# Altium PCB DMRobotPCB.PcbDoc (continued)
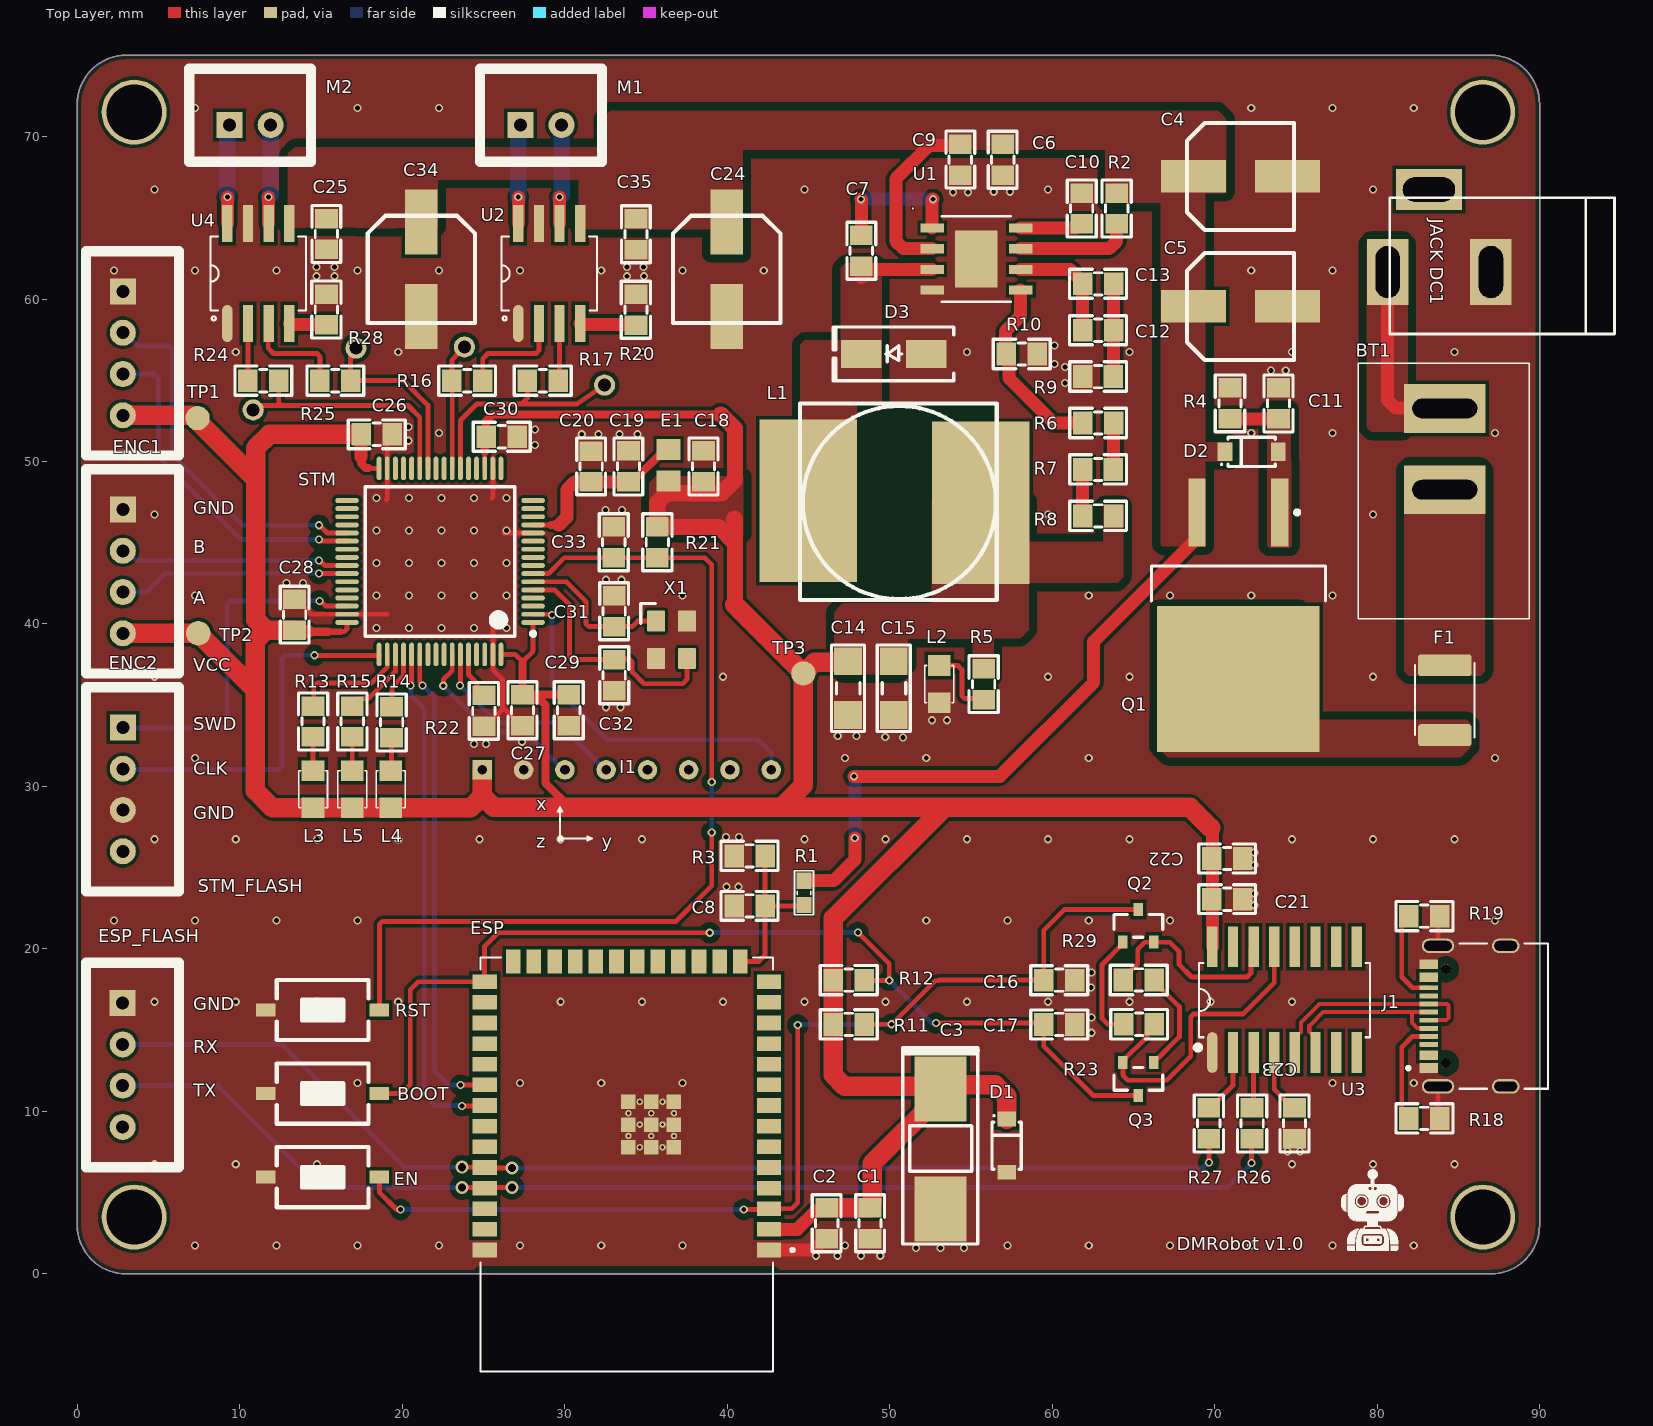
[diagram p0: Top Layer view]
## Footprints (in the part's own frame and the unit in brackets; to place one, negate y for a bottom-side part, rotate by r counter-clockwise, add the part's x,y. Pads: shape width x height; smd on the part's side, far side on the other; paste and mask are expansions set on the pad) (continued)
  rect 0.9x1.5 smd: 15(-6.985,-12.5) 16(-5.715,-12.5) 17(-4.445,-12.5) 18(-3.175,-12.5) 19(-1.905,-12.5) 20(-0.635,-12.5) 21(0.635,-12.5) 22(1.905,-12.5) 23(3.175,-12.5) 24(4.445,-12.5) 25(5.715,-12.5) 26(6.985,-12.5)
  rect 0.9x0.9 smd: 41_1(-1.5,-2.46) 41_2(-2.9,-2.46) 41_3(-0.1,-2.46) 41_4(-2.9,-3.86) 41_5(-1.5,-3.86) 41_6(-0.1,-3.86) 41_7(-2.9,-1.06) 41_8(-1.5,-1.06) 41_9(-0.1,-1.06)
  round 0.4 hole 0.2: GND(-2.9,-3.16) GND(-2.9,-1.76) GND(-2.2,-2.46) GND(-2.2,-1.06) GND(-2.2,-3.86) GND(-1.5,-1.76) GND(-1.5,-3.16) GND(-0.8,-1.06) GND(-0.8,-2.46) GND(-0.8,-3.86) GND(-0.1,-1.76) GND(-0.1,-3.16)
  Keep-Out Layer region: 9,6.75 -9,6.75 -9,12.75 9,12.75
  Keep-Out Layer region: 9,6.75 -9,6.75 -9,12.75 9,12.75
  silkscreen extent -10.3,-12.75 9,12.75
XH2.54M-2 [mm]
  rect 1.6x1.6 hole 0.8: 1(0,0)
  round 1.6 hole 0.8: 2(2.54,0)
  silkscreen extent -2.48,-2.26 5.02,3.46, body extent -2.48,-2.26 5.02,3.48, height 6.91
XH2.54M-4 [mm]
  rect 1.6x1.6 hole 0.8: 1(0,0)
  round 1.6 hole 0.8: 2(2.54,0) 3(5.08,0) 4(7.62,0)
  silkscreen extent -2.48,-2.26 10.1,3.46, body extent -2.48,-2.26 10.1,3.48, height 6.91
XTAL_3225 [mm]
  rrect10% 1.3x1.1 smd: 1(-1.15,-0.95) 2(1.15,-0.95) 3(1.15,0.95) 4(-1.15,0.95)
  silkscreen extent -2.23,-1.89 -1,-1, body extent -1.6,-1.28 1.6,1.23, height 0.61

## Part data
C1 C6 C7 C8 C10 C16 C17 C20 C22 C23 C25 C26 C27 C28 C29 C30 C33 C35: library part "Tu 0805 104 50V 10%", "Dán", Chung_Loai=Dán, Don_Vi=Con, Ma_Hang=MH004551, So_Chan=2, Ten_Linh_Kien="Tụ 0805 104-100nF 10% 50V"
C2: library part "Tu 0805 222 50V 10%", "Dán", Chung_Loai=Dán, Don_Vi=Con, Ma_Hang=MH004557, So_Chan=2, Ten_Linh_Kien="Tụ 0805 222-2.2nF 10% 50V"
C3: library part "Tu tantalum 100uF 50V SMD7343", "Dán", Chung_Loai=Dán, Don_Vi=Con, Ma_Hang=MH008401, So_Chan=2, Ten_Linh_Kien="Tụ tantalum 107T-100uF 50V SMD7343"
C4 C5: library part "Tu Nhom 100uF 25V", "Dán", Chung_Loai=Dán, Don_Vi=Con, Ma_Hang=MH002222, So_Chan=2, Ten_Linh_Kien="Tụ Nhôm 100uF 25V 6x7MM"
C9 C18 C19 C21: library part "Tu 0805 106 16V 10%", "Dán", Chung_Loai=Dán, Don_Vi=Con, Ma_Hang=MH004553, So_Chan=2, Ten_Linh_Kien="Tụ 0805 106-10uF 10% 16V"
C11: library part "Tu 0805 105 50V 10%", "Dán", Chung_Loai=Dán, Don_Vi=Con, Ma_Hang=MH004552, So_Chan=2, Ten_Linh_Kien="Tụ 0805 105-1uF 10% 50V"
C12: library part "Tu 0805 102 50V 10%", "Dán", Chung_Loai=Dán, Don_Vi=Con, Ma_Hang=MH004549, So_Chan=2, Ten_Linh_Kien="Tụ 0805 102-1nF 10% 50V"
C13: library part "Tu 0805 332 50V 10%", "Dán", Chung_Loai=Dán, Don_Vi=Con, Ma_Hang=MH004561, So_Chan=2, Ten_Linh_Kien="Tụ 0805 332-3.3nF 10% 50V"
C14 C15: library part "Tu 1206 226 16V 20%", "Dán", Chung_Loai=Dán, Don_Vi=Con, Ma_Hang=MH004546, So_Chan=2, Ten_Linh_Kien="Tụ 1206 226-22uF 20% 16V"
C24 C34: library part "Tu Nhom 22uF 25V", "Dán", Chung_Loai=Dán, Don_Vi=Con, Ma_Hang=MH007613, So_Chan=2, Ten_Linh_Kien="Tụ Nhôm 22uF 25V"
C31 C32: library part "Tu 0805 10pF 50V 10%", "Dán", Chung_Loai=Dán, Don_Vi=Con, Ma_Hang=MH004554, So_Chan=2, Ten_Linh_Kien="Tụ 0805 10P 10% 50V"
D1 D2: library part "Diode Zener", "Zener Diode"
D3: library part "Diode SS34 ( 1N5822 )", "Dán", Chung_Loai=Dán, Don_Vi=Con, Ma_Hang=MH002104, Ten_Linh_Kien="Diode SS34 3A 40V SMA ( 1N5822 SS34A)"
E1: "EMI Ferrite Chip Bead, 0805, 800MA, 120Ohms @100MHz, DCR Max 0.150Ohm", PACKAGE="0805 Laird", Check_prices=https://www.snapeda.com/parts/LI0805H121R-10/Laird/view-part/?ref=eda, MF=Laird, MP=LI0805H121R-10, SnapEDA_Link=https://www.snapeda.com/parts/LI0805H121R-10/Laird/view-part/?ref=snap
ENC1 ENC2 ESP_FLASH: library part "Header 4P 2.54 Duc Thang", "Cắm", Chung_Loai=Cắm, Don_Vi=Con, Ma_Hang=MH001285, Ten_Linh_Kien="Header 4P XH2.54-4P Đực Thẳng"
ESP: PACKAGE=None, Availability=Unavailable, MF="{'manufacturer': u'Espressif Systems'}", MP=ESP32-S3-WROOM-1-N4, Price=None
F1: library part "Cau chi tu phuc hoi 2A 24V SMD1812", "2A 24V SMD1812", Ma_Hang=MH010033, Ten="Cầu Chì Tự Phục Hồi 2A 24V SMD1812"
J1: "USB Connectors 24 Receptacle 1 8.94*7.3mm RoHS", PACKAGE=Package, Check_prices=https://www.snapeda.com/parts/TYPE-C-31-M-12/HRO+Electronics+Co.%252C+Ltd./view-part/?ref=eda, MF="HRO Electronics Co., Ltd.", MP=TYPE-C-31-M-12, SnapEDA_Link=https://www.snapeda.com/parts/TYPE-C-31-M-12/HRO+Electronics+Co.%252C+Ltd./view-part/?ref=snap
L1: library part "CUON CAM 100uH SMD", "Dán", Chung_Loai=Dán, Don_Vi=Con, Ma_Hang=MH003999, Ten_Linh_Kien="Cuộn Cảm 100uH 7x7x4MM CD74"
L2 L3: library part "LED 0805 Do", "Dán", Chung_Loai=Dán, Don_Vi=Con, Ma_Hang=MH000897, Ten_Linh_Kien="LED 0805 Màu Đỏ (Red)"
L4: library part "LED 0805 Xanh La", "Dán", Chung_Loai=Dán, Don_Vi=Con, Ma_Hang=MH002326, Ten_Linh_Kien="LED 0805 Màu Xanh Lá (Green)"
L5: library part "LED 0805 Vang", "Dán", Chung_Loai=Dán, Don_Vi=Con, Ma_Hang=MH002329, Ten_Linh_Kien="LED 0805 Màu Vàng ( Yellow)"
M1 M2: library part "Header 2P 2.54 Duc Thang", "Cắm", Chung_Loai=Cắm, Don_Vi=Con, Ma_Hang=MH001283, Ten_Linh_Kien="Header 2P XH2.54-2P Đực Thẳng"
Q1: library part "Mosfet P", "Mosfet P"
Q2 Q3: library part CMP-20235-000001-1, "NPN TRANSISTOR 1.5A 40V SOT-23 R", Case/Package=TO-236-3, Collector Emitter Breakdown Voltage=25V, Collector Emitter Voltage (VCEO)=400mV, Max Collector Current=1.5A, Max Power Dissipation=300mW, Transition Frequency=100MHz, Max Breakdown Voltage=25V, Mount="Surface Mount", Packaging="Tape and Reel", RoHS Compliant=Yes
R1: library part "Tro 0603 5% 47k", "Dán", Chung_Loai=Dám, Don_Vi=Con, Ma_Hang=MH007665, So_Chan=2, Ten_Linh_Kien="Trở 0603 5% 47k"
R2 R4: library part "Tro 0805 5% 100k", "Dán", Chung_Loai=Dán, Don_Vi=Con, Ma_Hang=MH005250, So_Chan=2, Ten_Linh_Kien="Trở 0805 5% 100k"
R3 R5 R10 R11 R12 R21 R22 R23 R29: library part "Tro 0805 5% 10k", "Dán", Chung_Loai=Dán, Don_Vi=Con, Ma_Hang=MH005239, So_Chan=2, Ten_Linh_Kien="Trở 0805 5% 10k"
R6: library part "Tro 0805 5% 22k", "Dán", Chung_Loai=Dán, Don_Vi=Con, Ma_Hang=MH005248, So_Chan=2, Ten_Linh_Kien="Trở 0805 5% 22k"
R7: library part "Tro 0805 5% 220R", "Dán", Chung_Loai=Dán, Don_Vi=Con, Ma_Hang=MH005259, So_Chan=2, Ten_Linh_Kien="Trở 0805 5% 220R"
R8: library part "Tro 0805 5% 3.9k", "Dán", Chung_Loai=Dán, Don_Vi=Con, Ma_Hang=MH007670, So_Chan=2, Ten_Linh_Kien="Trở 0805 5% 3.9k"
R9: library part "Tro 0805 5% 6.8k", "Dán", Chung_Loai=Dán, Don_Vi=Con, Ma_Hang=MH005311, So_Chan=2, Ten_Linh_Kien="Trở 0805 5% 6.8k"
R13 R14 R15: library part "Tro 0805 5% 2.2k", "Dán", Chung_Loai=Dán, Don_Vi=Con, Ma_Hang=MH005237, So_Chan=2, Ten_Linh_Kien="Trở 0805 5% 2.2k"
R16 R17 R24 R25 R26 R27: library part "Tro 0805 5% 0R", "Dán", Chung_Loai=Dán, Don_Vi=Con, Ma_Hang=MH005230, So_Chan=2, Ten_Linh_Kien="Trở 0805 5% 0R"
R18 R19: library part "Tro 0805 1% 5.1k", "Dán", Chung_Loai=Dán, Don_Vi=Con, Ma_Hang=MH008812, So_Chan=2, Ten_Linh_Kien="Trở 0805 1% 5.1k"
R20 R28: library part "Tro 0805 5% 30k", "Dán", Chung_Loai=Dán, Don_Vi=Con, Ma_Hang=MH005314, So_Chan=2, Ten_Linh_Kien="Trở 0805 5% 30k"
STM_FLASH: "Cắm", Chung_Loai=Cắm, Don_Vi=Con, Ma_Hang=MH001285, Ten_Linh_Kien="Header 4P XH2.54-4P Đực Thẳng"
U1: "3A 23V 340KHz Synchronous Rectified Step-Down Converter", Manufacturer_Name="Monolithic Power Systems", Copyright="Copyright (C) 2025 Ultra Librarian. All rights reserved.", Datasheet=https://www.monolithicpower.com/en/documentview/productdocument/index/version/2/document_type/Datasheet/lang/en/sku/MP2307, Manufacturer_Part_Number=MP2307DN-HW-LF-P, RefDes=RefDes, TYPE=Type
U2 U4: library part IC_DRV8871DDARQ1, "Unipolar Motor Driver NMOS PWM 8-SO PowerPad", Alternate Part Number-1=NA, Case/Package=SOIC-8, Manufacturer="Texas Instruments", Manufacturer Part Number=DRV8871DDARQ1, Supplier Part Number-1=DRV8871DDARQ1, Supplier-1=ARROW
U3: library part IC_CH340C, "USB Bridge, USB to UART USB 2.0 UART Interface", Alternate Part Number-1=NA, Case/Package=SOIC16, Manufacturer=Olimex, Supplier Part Number-1=C84681, Manufacturer Part Number=CH340C, Supplier-1=LCSC
X1: library part TSX-3225_24.0000MF15X-AC, "Crystal SMD 24MHz 10PPM 7pF 3225", Manufacturer=Epson, Manufacturer Part Number="TSX-3225 24.0000MF15X-AC"
BOOT EN RST: Ma_Hang=MH001036, Ten="Nút Nhấn 2 Chân 3x6x2.5MM SMD"

## Free pads (board coordinates)
  round 4 hole 3.4: 3(3.5,3.5) 4(3.5,71.5) 6(86.5,3.5) 6(86.5,71.5)
  round 1.5 all layers, no hole mask+0.102: 7(7.4,52.675) 8(7.447,39.428) 8(44.688,36.956)
  round 1.3 hole 0.8 mask+0: MOTOR2_IN2(10.825,53.175) MOTOR2_IN2(17.15,56.975) MOTOR2_IN2(23.825,57.05) MOTOR2_IN2(32.45,54.7)

## Via types
v1: diameter 0.5, hole 0.3, Top Layer to Bottom Layer, tented both sides, 237 vias
v2: diameter 0.8, hole 0.5, Top Layer to Bottom Layer, tented both sides, 4 vias

## Nets (pads, with @x,y where several pads share a name; then routed paths per layer and width w, separated by ;. In a path a pad name is that pad's centre, name@x,y a point inside that pad or via, vN(x,y) a via of type N, cw(c..) or ccw(c..) an arc to the next point about the centre after c; other vN are vias at no path point)
3.3V: C1.1 C2.2 C3.1 C14.1 C15.1 C18.1 C21.1 C22.2 C26.2 C27.2 C28.2 C29.2 C30.2 D1.2 E1.1 ENC1.4 ENC2.4 ESP.2 I1.0 L1.2 L3.1 L4.1 L5.1 pad.7 pad.8 R5.1 R8.2 R11.2 R12.2 R21.1 STM.1 STM.19 STM.32 STM.48 STM.64 U3.16 | length 254.8
  Top Layer w0.3: 16.225,39.525 16.424,39.525 16.6,39.701 STM.48 ; 17.925,49.6 17.95,49.575 STM.32 ; STM.19 25.075,50.6 ; STM.64 26.95,38.125 27.099,37.976 27.4,37.675 28.05,38.325 STM.1 ; 44.018,2.741 45.304,4.027
  Top Layer w0.4: 15.45,39.525 16.225,39.525
  Top Layer w0.5: 14.2,39.55 14.225,39.525 15.45,39.525 ; 17.45,50.275 17.45,49.893 17.743,49.6 17.925,49.6 ; 25.075,50.6 25.075,51.6 25.15,51.675 25.15,52.507 25.543,52.9 39.6,52.9 ; 27.4,37.675 C27.2 ; C29.2 C27.2 ; 30.313,28.712 28.825,30.2 28.825,35.007 28.532,35.3 27.75,35.3 C27.2
  Top Layer w0.8: 12.669,39.55 13.372,39.55 14.2,39.55 ; 17.45,50.275 17.45,51.65 C26.2 ; ESP.2 44.018,2.741 44.318,2.741 45.448,3.87 45.822,3.87 46.05,4.099 C2.2@46.05,4.224 ; L1.2@55.589,43.92 L1.2@55.782,44.113 ; L1.2 55.782,47.283 L1.2@55.782,44.113 ; L1.2@55.843,44.174 L1.2@55.782,44.113 ; U3.16 69.856,22.613 69.856,27.338 69.744,27.45 69.925,27.45 69.925,27.331
  Top Layer w1: 39.6,52.9 40.475,52.025 40.475,48.875 39.65,48.05 36.286,48.05 35.7,47.464 R21.1 39.475,45.975 40.475,44.975 ; 40.425,46.475 40.475,46.425 40.475,44.975 ; 40.475,41.169 40.475,44.975
  Top Layer w1.2: ENC2.4 7.447,39.428 10.95,35.925 ; ENC1.4 7.055,52.845 10.975,48.925 ; C28.2 12.669,39.621 11.621,39.621 ; C26.2 11.825,51.675 10.975,50.825 10.975,48.925 ; L4.1@19.042,28.687 L5.1 L3.1 12.013,28.687 10.95,29.75 10.95,35.925 ; L4.1@19.186,28.687 24.202,28.687 24.93,29.415 ; I1.0 24.93,29.415 ; 40.475,41.169 pad.8@44.688,36.956 ; C2.2 48.681,4.07 48.69,4.062 C1.1@48.781,4.062 ; C14.1 47.392,37.653 45.385,37.653 pad.8@44.688,36.956 ; C1.1@48.915,4.412 48.915,6.788 53.118,10.991 C3.1@53.118,11.316 ; 53.525,28.712 53.362,28.712 ; D1.2 57.193,10.938 56.49,11.641 53.368,11.641 C3.1 52.968,11.541 47.228,11.541 46.525,12.244 R11.2 R12.2 46.525,21.875 53.362,28.712 ; 69.744,27.45 68.482,28.712 53.362,28.712 ; 10.95,35.925 10.95,38.95 11.621,39.621 ; 10.975,48.925 10.975,40.266 11.621,39.621 ; 24.93,29.415 25.633,28.712 30.313,28.712 43.325,28.712 ; 43.325,28.712 53.362,28.712 ; 43.325,28.712 44.688,30.075 pad.8@44.688,36.956
8.4V: C4.1 C5.1 C6.2 C9.1 C24.1 C25.2 C34.1 C35.2 D2.2 Q1.3 R1.2 R2.1 U1.2 U2.5 U4.5 | length 50.2
  Top Layer w0.8: R1.2 46.55,24.2 47.85,25.5 v1(47.85,26.825) ; v1(47.8,30.625) 56.775,30.625 62.55,36.4 62.55,38.919 68.924,45.293 Q1.3 ; U1.2 50.851,63.097 50.382,63.566 50.382,67.398 52.447,69.462 54.28,69.462 C9.1
  Bottom Layer w0.8: v1(47.8,30.625) 47.85,30.575 v1(47.85,26.825)
BOOT: BOOT.2 C17.2 ESP.27 Q3.3 R12.1 | length 62.6
  Top Layer w0.3: BOOT.2 19.951,11.099 20.493,11.641 20.493,17.491 20.983,17.981 ESP.27 25.068,20.166 25.902,21 v1(38.925,21) ; v1(48.043,21.016) 49.968,19.091 v1(49.968,18.066) 48.44,18.066 R12.1 ; v1(52.843,15.441) 59.394,15.441 C17.2 59.479,14.021 62.51,10.99 Q3.3
  Bottom Layer w0.3: v1(38.925,21) 38.933,21.008 48.035,21.008 v1(48.043,21.016) ; v1(49.968,18.066) 52.593,15.441 v1(52.843,15.441)
BS_NET: C7.1 U1.1 | length 8.5
  Top Layer w0.8: v1(48.223,66.145) 48.252,66.116 C7.1 ; U1.1 52.611,66.088 v1(52.668,66.145)
  Bottom Layer w0.8: v1(48.223,66.145) v1(52.668,66.145)
COMP_NET: C12.1 C13.1 U1.6 | length 7.1
  Top Layer w0.8: U1.6 61.087,61.827 61.88,61.035 C13.1 C12.1
DTR: Q3.2 R23.1 U3.13 | length 19.5
  Top Layer w0.3: R23.1 65.846,14.913 65.846,14.606 64.35,13.11 Q3.2 64.35,12.225 64.657,11.918 67.043,11.918 68.525,13.4 68.525,15.812 68.701,15.988 71.736,15.988 73.666,17.918 U3.13
EN: C16.2 EN.2 ESP.3 Q2.3 R11.1 | length 65.6
  Top Layer w0.3: EN.2 18.594,5.015 19.643,3.966 v1(19.893,3.966) ; v1(41.018,3.966) 42.523,3.966 ESP.3 43.968,4.011 44.343,4.387 v1(44.343,15.316) ; R11.1 48.435,15.366 v1(50.118,15.366) 52.793,18.041 52.993,18.041 53.033,18.081 C16.2 59.479,21.152 60.762,22.435 Q2.3
  Bottom Layer w0.3: v1(19.893,3.966) v1(41.018,3.966) ; v1(44.343,15.316) 44.368,15.341 50.093,15.341 v1(50.118,15.366)
EN_NET: R2.2 U1.7 | length 7.2
  Top Layer w0.8: U1.7 63.502,63.097 63.971,63.566 R2.2
ENCODER1_IN1: ENC1.2 STM.37 | length 22.7
  Top Layer w0.3: v1(14.875,46.075) 14.915,46.075 15.39,45.6 STM.37
  Bottom Layer w0.3: ENC1.2 2.918,57.925 3.743,57.1 5.674,57.1 5.85,56.924 5.85,50.4 10.175,46.075 v1(14.875,46.075)
ENCODER1_IN2: ENC1.3 STM.38 | length 20.9
  Top Layer w0.3: v1(14.875,45.2) 14.929,45.2 15.029,45.1 STM.38
  Bottom Layer w0.3: ENC1.3 4.714,55.385 5,55.099 5,50.25 10.05,45.2 v1(14.875,45.2)
ENCODER2_IN1: ENC2.3 STM.42 | length 14.3
  Top Layer w0.3: v1(14.875,43.1) STM.42
  Bottom Layer w0.3: ENC2.3 4.267,41.968 5.425,43.125 14.85,43.125 v1(14.875,43.1)
ENCODER2_IN2: ENC2.2 STM.41 | length 14.2
  Top Layer w0.3: v1(14.875,43.9) 14.929,43.9 15.229,43.6 STM.41
  Bottom Layer w0.3: ENC2.2 3.018,44.508 3.626,43.9 v1(14.875,43.9)
ESP_RX: ESP.33 STM.53 | length 31.5
  Top Layer w0.3: v1@20.5,36.2 v1(20.5,36.225) 20.5,36.254 20.575,36.329 STM.53 ; v1(23.668,10.341) 25.048,10.341 ESP.33
  Bottom Layer w0.3: v1(20.5,36.225) 20.538,36.187 20.538,35.587 21.35,34.775 21.35,11.023 21.343,11.016 21.993,10.366 23.643,10.366 v1(23.668,10.341)
ESP_RXD0: ESP.36 ESP_FLASH.2 R27.1 | length 71.6
  Top Layer w0.3: v2(23.668,6.566) 25.053,6.566 ESP.36 25.103,6.516 v2(26.743,6.516) ; R27.1 69.643,8.306 v1(69.643,6.866)
  Bottom Layer w0.3: ESP_FLASH.2 12.583,14.126 20.143,6.566 v2(23.668,6.566) ; v2(26.743,6.516) 69.239,6.516 69.589,6.866 v1(69.643,6.866)
ESP_TX: ESP.32 STM.54 | length 29.5
  Top Layer w0.3: STM.54 21.075,36.429 21.25,36.254 v1(21.25,36.225) v1@21.25,36.2 ; v1(23.593,11.616) 25.053,11.616 ESP.32
  Bottom Layer w0.3: v1(21.25,36.225) 21.975,35.5 21.975,12.509 22.868,11.616 v1(23.593,11.616)
ESP_TXD0: ESP.37 ESP_FLASH.3 R26.1 | length 74.3
  Top Layer w0.3: v2(23.668,5.316) 25.033,5.316 ESP.37 ; ESP.37@25.083,5.266 ESP.37 ; v2(26.743,5.316) 25.103,5.316 ESP.37 ; v1(72.268,6.816) 72.268,8.275 R26.1
  Bottom Layer w0.3: ESP_FLASH.3 8.648,11.586 14.918,5.316 v2(23.668,5.316) ; v2(26.743,5.316) 70.768,5.316 v1(72.268,6.816)
FB_NET: R6.1 R10.1 U1.5 | length 11.6
  Top Layer w0.8: U1.5 58.059,58.963 57.113,58.017 57.113,56.69 57.33,56.473 57.33,55.145 60.102,52.373 R6.1
GND: "JACK DC1.2" BOOT.1 C1.2 C2.1 C3.2 C4.2 C5.2 C6.1 C8.1 C9.2 C10.1 C11.2 C14.2 C15.2 C16.1 C17.1 C18.2 C19.2 C20.1 C21.2 C22.1 C23.1 C24.2 C25.1 C26.1 C27.1 C28.1 C29.1 C30.1 C31.2 C32.2 C33.1 C34.2 C35.1 D1.1 D3.1 EN.1 ENC1.1 ENC2.1 ESP.1 ESP.40 ESP.41_1 ESP.41_2 ESP.41_3 ESP.41_4 ESP.41_5 ESP.41_6 ESP.41_7 ESP.41_8 ESP.41_9 ESP.GND ESP_FLASH.1 I1.1 J1.A1_B12 J1.B1_A12 J1.S1 J1.S2 J1.S3 J1.S4 L2.2 R3.1 R4.1 R9.2 R10.2 R18.1 R19.1 R20.1 R22.2 R28.1 RST.1 STM.12 STM.18 STM.31 STM.47 STM.63 STM_FLASH.3 U1.4 U1.EPAD U2.1 U2.7 U3.1 U4.1 U4.7 X1.2 X1.4 | length 32.2
  Top Layer w0.3: C28.1 13.472,41.521 14.392,40.6 STM.47 19.025,40.6 19.05,40.575 ; 19.025,47.65 19.075,47.7 STM.31 19.075,51.375 C26.1 ; R22.2@25.125,33.7 26.175,34.75 ; 25.525,47.75 25.575,47.8 STM.18 ; 25.625,40.175 25.575,40.125 STM.63 25.575,37.175 26.175,36.575 26.175,34.75 ; v1@26.275,45.575 26.3,45.6 STM.12 ; C30.1 C30.1@27.175,51.424 ; C27.1 27.3,33.75 26.3,34.75 26.175,34.75 ; J1.S1 83.746,9.683 R18.1 ; J1.S2 83.746,21.906 R19.1
  Top Layer w0.5: R28.1 R28.1@15.356,60.277 ; C25.1 C25.1@15.332,63.052
  Top Layer w0.8: R22.2 R22.2@25.125,33.7 ; ESP.1 45.322,1.471 46.022,2.17 C2.1 C2.1@46.126,2.166 ; C1.2@48.786,2.166 C1.2 ; U1.EPAD@54.831,61.958 U1.EPAD ; R10.2@59.083,56.52 R10.2 ; R9.2@61.674,54.928 61.874,55.128 R9.2 ; C10.1@61.712,66.521 C10.1 ; C9.2 54.447,67.629 C9.2
  other v1: 45.468,1.116 46.793,1.116 48.243,1.116 49.418,1.116 51.618,1.591 53.118,1.591 54.568,1.591 7.25,1.75 12.25,1.75 17.25,1.75 22.25,1.75 27.25,1.75 32.25,1.75 37.25,1.75 47.25,1.75 57.25,1.75 62.25,1.75 67.25,1.75 72.25,1.75 77.25,1.75 82.25,1.75 4.75,6.75 9.75,6.75 14.75,6.75 74.75,6.75 79.75,6.75 84.75,6.75 74.493,7.541 75.243,7.541 17.25,11.75 27.25,11.75 32.25,11.75 37.25,11.75 77.25,11.75 82.25,11.75 62.418,14.841 62.418,15.791 4.75,16.75 9.75,16.75 14.75,16.75 19.75,16.75 29.75,16.75 34.75,16.75 39.75,16.75 44.75,16.75 49.75,16.75 54.75,16.75 59.75,16.75 64.75,16.75 69.75,16.75 74.75,16.75 62.393,17.616 62.418,18.541 2.25,21.75 7.25,21.75 12.25,21.75 17.25,21.75 52.25,21.75 57.25,21.75 62.25,21.75 67.25,21.75 87.25,21.75 72.443,22.691 72.443,23.416 39.95,23.825 40.7,23.825 72.443,25.166 72.45,25.925 4.75,26.75 9.75,26.75 14.75,26.75 19.75,26.75 24.75,26.75 29.75,26.75 34.75,26.75 44.75,26.75 49.75,26.75 54.75,26.75 59.75,26.75 64.75,26.75 74.75,26.75 79.75,26.75 84.75,26.75 39.925,26.9 40.725,26.9 7.25,31.75 47.25,31.75 52.25,31.75 62.25,31.75 87.25,31.75 24.425,32.625 25.15,32.625 27.375,32.75 50.825,33.025 49.725,33.05 46.8,33.1 47.95,33.1 52.6,34.075 53.525,34.075 32.55,34.875 33.425,34.875 4.75,36.75 39.75,36.75 59.75,36.75 64.75,36.75 79.75,36.75 18.425,39.75 20.425,39.75 22.425,39.75 24.425,39.75 26.425,39.75 7.25,41.75 18.425,41.75 20.425,41.75 22.425,41.75 24.425,41.75 26.425,41.75 37.25,41.75 62.25,41.75 67.25,41.75 72.25,41.75 77.25,41.75 12.875,42.525 13.9,42.525 32.55,42.725 33.5,42.725 18.425,43.75 20.425,43.75 22.425,43.75 24.425,43.75 26.425,43.75 18.425,45.75 20.425,45.75 22.425,45.75 24.425,45.75 26.425,45.75 4.75,46.75 59.75,46.75 79.75,46.75 32.5,47.025 33.525,47.025 18.425,47.75 20.425,47.75 22.425,47.75 24.425,47.75 26.425,47.75 28.175,51.025 20.375,51.275 31.05,51.675 32.075,51.675 33.375,51.675 34.475,51.675 22.25,51.75 72.25,51.75 77.25,51.75 87.25,51.75 28.175,51.975 20.375,52.125 60.8,54.825 73.475,55.6 74.375,55.6 60.8,55.825 60.15,56 9.75,56.75 19.75,56.75 34.75,56.75 54.75,56.75 64.75,56.75 74.75,56.75 84.75,56.75 60.15,57.15 14.725,61.4 15.825,61.4 33.825,61.4 34.875,61.4 2.25,61.75 7.25,61.75 12.25,61.75 17.25,61.75 22.25,61.75 27.25,61.75 32.25,61.75 37.25,61.75 42.25,61.75 72.25,61.75 77.25,61.75 14.725,61.975 15.825,61.975 33.825,61.975 34.85,61.975 53.9,66.575 54.825,66.575 56.4,66.6 57.4,66.6 4.75,66.75 44.75,66.75 59.75,66.75 79.75,66.75 7.25,71.75 17.25,71.75 22.25,71.75 72.25,71.75 77.25,71.75 82.25,71.75
MCU_BOOT0: R22.1 STM.60 | length 3
  Top Layer w0.3: STM.60 24.075,36.875 24.6,36.35 R22.1@24.6,35.475 ; R22.1 R22.1@25.125,35.6
MCU_ERR_LED: R13.2 STM.50 | length 7
  Top Layer w0.3: R13.2 14.55,34.994 14.55,36.15 14.775,36.375 18.107,36.375 19.075,37.343 STM.50
MCU_ERR_LED_K: L3.2 R13.1 | length 2.1
  Top Layer w0.3: L3.2 L3.2 R13.1 R13.1
MCU_INT: I1.7 STM.2 | length 21.8
  Top Layer w0.3: STM.2 29.121,40.6 29.171,40.55 v1(29.225,40.55)
  Bottom Layer w0.3: v1(29.225,40.55) 29.225,36.25 32.6,32.875 41.925,32.875 42.71,32.09 I1.7
MCU_nRESET: C33.2 R21.2 RST.2 STM.7 | length 58
  Top Layer w0.3: RST.2 18.594,21.517 18.77,21.692 36.845,21.692 39.05,23.898 v1(39.05,27.175) ; STM.7 29,43.1 29.975,44.075 C33.2 R21.2 38.625,44.075 39.05,43.65 v1(39.05,30.275)
  Bottom Layer w0.3: v1(39.05,27.175) v1(39.05,30.275)
MCU_OSCIN: C32.1 STM.5 X1.3 | length 15.5
  Top Layer w0.3: STM.5 29.375,42.1 29.524,41.951 30.3,41.175 30.3,38.001 30.476,37.825 33.008,37.825 C32.1 33.096,37.85 33.974,37.85 34.15,37.674 34.15,37.05 34.875,36.325 37.25,36.325 37.525,36.6 X1.3
MCU_OSCOUT: C31.1 STM.6 X1.1 | length 9.7
  Top Layer w0.3: STM.6 30.1,42.6 31.3,41.4 31.3,40.025 31.486,39.839 C31.1 34.149,39.839 34.485,40.175 X1.1
MCU_RUN_LED: R14.2 STM.52 | length 3.5
  Top Layer w0.3: R14.2 19.375,34.924 19.375,36.1 20.075,36.8 STM.52
MCU_RUN_LED_K: L4.2 R14.1 | length 2
  Top Layer w0.3: L4.2 19.344,31.032 R14.1 R14.1
MCU_SCL: I1.2 STM.58 | length 11.3
  Top Layer w0.3: v1(22.525,36.2) 22.532,36.207 22.532,36.582 23.075,37.125 STM.58
  Bottom Layer w0.3: v1(22.525,36.2) 25.375,33.35 27.624,33.35 27.975,32.999 27.975,32.95 I1.2@29.607,31.318
MCU_SDA: I1.3 STM.59 | length 12.5
  Top Layer w0.3: v1(23.55,36.225) 23.575,36.25 STM.59
  Bottom Layer w0.3: v1(23.55,36.225) 25.85,33.925 29.575,33.925 I1.3@32.106,31.394
MCU_SWCLK: STM.49 STM_FLASH.2 | length 23
  Top Layer w0.3: v1(14.6,38.075) 14.625,38.05 18.575,38.05 STM.49
  Bottom Layer w0.3: STM_FLASH.2@2.482,31.05 12.424,31.05 12.6,31.226 12.6,37.899 12.776,38.075 v1(14.6,38.075)
MCU_SWDIO: STM.46 STM_FLASH.1 | length 21.6
  Top Layer w0.3: v1(14.9,41.425) 14.954,41.425 15.279,41.1 STM.46
  Bottom Layer w0.3: STM_FLASH.1@2.727,33.6 9.049,33.6 9.225,33.776 9.225,41.249 9.401,41.425 v1(14.9,41.425)
MCU_WIFI_LED: R15.2 STM.51 | length 4.6
  Top Layer w0.3: R15.2 17.375,35.4 17.9,35.4 19.575,37.075 STM.51
MCU_WIFI_LED_K: L5.2 R15.1 | length 2.1
  Top Layer w0.3: L5.2 16.925,30.974 R15.1 R15.1@16.926,33.048
MOTOR1_IN1: pad.MOTOR2_IN2@23.825,57.05 R16.1 STM.23 | length 7.8
  Top Layer w0.3: STM.23 23.075,54.95 R16.1 23.05,56.225 pad.MOTOR2_IN2@23.825,57.05
MOTOR1_IN2: pad.MOTOR2_IN2@32.45,54.7 R17.1 STM.22 | length 14.2
  Top Layer w0.3: STM.22 23.575,52.525 24.6,53.55 27.35,53.55 ; R17.1 27.7,53.9 27.35,53.55 ; pad.MOTOR2_IN2@32.45,54.7 30.75,53.55 27.35,53.55
MOTOR1_OUT1: M1.2 U2.6 | length 6.1
  Top Layer w0.8: U2.6 v1(29.681,66.272)
  Bottom Layer w1: v1(29.681,66.272) 29.808,66.399 M1.2
MOTOR1_OUT2: M1.1 U2.8 | length 6.5
  Top Layer w0.8: U2.8 27.141,64.909 v1(27.141,66.272)
  Bottom Layer w0.8: M1.1@27.141,70.463 M1.1@27.395,70.717
  Bottom Layer w1: v1(27.141,66.272) 27.141,70.463 27.141,70.59 M1.1
MOTOR2_IN1: pad.MOTOR2_IN2@10.825,53.175 R24.1 STM.27 | length 15.4
  Top Layer w0.3: pad.MOTOR2_IN2@10.825,53.175 11.375,53.45 12.576,53.45 ; R24.1 12.4,53.626 12.576,53.45 ; STM.27 21.075,52.725 20.35,53.45 12.576,53.45
MOTOR2_IN2: pad.MOTOR2_IN2@17.15,56.975 R25.1 STM.26 | length 10.9
  Top Layer w0.3: pad.MOTOR2_IN2@16.825,56.65 R25.1 20.074,54.975 21.575,53.474 STM.26
MOTOR2_OUT1: M2.2 U4.6 | length 6.1
  Top Layer w0.8: U4.6 v1(11.774,66.272)
  Bottom Layer w1: v1(11.774,66.272) 11.901,66.399 M2.2
MOTOR2_OUT2: M2.1 U4.8 | length 6.1
  Top Layer w0.8: U4.8 v1(9.234,66.272)
  Bottom Layer w1: v1(9.234,66.272) 9.234,70.59 M2.1
NetBT1_2: BT1.2 F1.1
NetC8_2: C8.2 ESP.15 R1.1 R3.2 | length 10.2
  Top Layer w0.3: ESP.15 41.946,19.231 42.325,19.61 C8.2 ; R3.2 C8.2 ; R1.1@44.7,22.675 44.675,22.65 C8.2
NetC11_1: C11.1 D2.1 Q1.1 R4.2 | length 3
  Top Layer w0.8: R4.2 C11.1
NetC12_2: C12.2 C13.2 R9.1 | length 5.7
  Top Layer w0.8: R9.1 63.777,55.231 63.777,60.931 C13.2
NetC23_2: C23.2 U3.4 | length 4
  Top Layer w0.3: U3.4 73.666,11.36 74.815,10.211 C23.2
NetF1_2: F1.2 Q1.2
NetJ1_A5: J1.A5 R18.2 | length 6.5
  Top Layer w0.3: R18.2 81.515,10.014 81.515,13.956 82.174,14.615 J1.A5
NetJ1_B5: J1.B5 R19.2 | length 5.9
  Top Layer w0.3: R19.2 81.515,21.575 81.515,18.274 82.174,17.615 J1.B5
NetL2_1: L2.1 R5.2 | length 4.5
  Top Layer w0.3: L2.1 54.192,37.443 54.446,37.189 54.446,35.587 54.622,35.411 55.717,35.411 R5.2
NetQ2_1: Q2.1 R23.2 | length 6.7
  Top Layer w0.3: Q2.1 64.35,20.315 63.075,19.04 63.075,15.7 63.412,15.363 R23.2
NetQ3_1: Q3.1 R29.2 | length 6.4
  Top Layer w0.3: Q3.1 66.25,13.11 66.4,13.26 66.5,13.26 67.825,14.585 67.825,16.447 66.279,17.993 R29.2
NetR6_2: R6.2 R7.1 | length 2.9
  Top Layer w0.8: R7.1 63.778,49.512 63.778,52.369 R6.2
NetR7_2: R7.2 R8.1 | length 2.9
  Top Layer w0.8: R7.2 61.878,49.503 61.878,46.658 R8.1
NetR16_2: R16.2 U2.2 | length 6.7
  Top Layer w0.3: R16.2 24.95,56.325 25.275,56.65 28.235,56.65 28.411,56.826 U2.2
NetR17_2: R17.2 U2.3 | length 3.6
  Top Layer w0.3: R17.2 29.681,55.056 U2.3
NetR20_2: R20.2 U2.4 | length 3.5
  Top Layer w0.8: U2.4 31.002,58.44 34.332,58.44 R20.2
NetR24_2: R24.2 U4.2 | length 3.5
  Top Layer w0.3: R24.2 10.504,54.979 U4.2
NetR25_2: R25.2 U4.3 | length 6.4
  Top Layer w0.3: U4.3 11.75,58.467 11.75,56.975 12.075,56.65 14.749,56.65 14.925,56.474 R25.2
NetR28_2: R28.2 U4.4 | length 2.3
  Top Layer w0.8: U4.4 13.088,58.447 15.286,58.447 R28.2
RTS: Q2.2 R29.1 U3.14 | length 12.5
  Top Layer w0.3: R29.1 64.379,18.193 65.265,19.079 65.265,19.979 65.701,20.415 Q2.2 67.235,20.415 67.799,19.851 67.799,19.051 68.576,18.274 71.99,18.274 72.229,18.512 72.229,19.96 U3.14
RXD: R26.2 U3.3 | length 3.5
  Top Layer w0.3: R26.2 72.396,10.302 U3.3
SS_NET: C10.2 U1.8 | length 3.9
  Top Layer w0.8: U1.8 61.458,64.367 61.712,64.621 C10.2
SW_NET: C7.2 D3.2 L1.1 U1.3 | length 4.6
  Top Layer w0.8: 48.255,61.32 48.762,61.827 U1.3
TXD: R27.2 U3.2 | length 4.1
  Top Layer w0.3: R27.2 69.738,10.211 71.126,11.6 U3.2
USB_N: J1.A7 J1.B7 U3.6 | length 11.3
  Top Layer w0.25: U3.6 76.206,14.56 76.014,14.752 75.97,14.752 75.823,14.898 75.823,15.271 76.663,16.111 82.143,16.111 ; J1.B7 83.141,15.14 82.462,15.14 82.143,15.458 82.143,16.111 ; J1.A7 83.162,16.111 82.143,16.111
USB_P: J1.A6 J1.B6 U3.5 | length 13.7
  Top Layer w0.25: U3.5 74.936,14.56 75.129,14.752 75.173,14.752 75.319,14.898 75.319,15.48 76.454,16.615 J1.B6 J1.B6@83.61,16.615 ; J1.A6 84.247,15.615 84.393,15.761 84.393,16.52 84.298,16.615 J1.B6@83.61,16.615 ; J1.B6@83.611,16.616 J1.B6@83.61,16.615
VDDA: C19.1 C20.2 E1.2 STM.13 | length 11.2
  Top Layer w0.3: STM.13 29.15,46.1
  Top Layer w0.5: 29.15,46.1 29.625,46.1 ; C19.1@33.918,48.743 34.272,49.097 34.522,49.097 35.768,50.343 35.986,50.343 E1.2
  Top Layer w0.8: 29.625,46.1 29.656,46.1 30.125,46.569 30.125,48.27 30.594,48.739 32.011,48.739 32.015,48.743 C19.1@33.918,48.743
VIN: "JACK DC1.1" BT1.1 | length 11.6
  Top Layer w0.8: 80.65,61.66 80.65,53.775 81.119,53.306 84.123,53.306 BT1.1
pads on no net: "JACK DC1.3" ESP.4 ESP.5 ESP.6 ESP.7 ESP.8 ESP.9 ESP.10 ESP.11 ESP.12 ESP.13 ESP.14 ESP.16 ESP.17 ESP.18 ESP.19 ESP.20 ESP.21 ESP.22 ESP.23 ESP.24 ESP.25 ESP.26 ESP.28 ESP.29 ESP.30 ESP.31 ESP.34 ESP.35 ESP.38 ESP.39 ESP_FLASH.4 I1.4 I1.5 I1.6 J1. J1.A4_B9 J1.A8 J1.B4_A9 J1.B8 STM.3 STM.4 STM.8 STM.9 STM.10 STM.11 STM.14 STM.15 STM.16 STM.17 STM.20 STM.21 STM.24 STM.25 STM.28 STM.29 STM.30 STM.33 STM.34 STM.35 STM.36 STM.39 STM.40 STM.43 STM.44 STM.45 STM.55 STM.56 STM.57 STM.61 STM.62 STM_FLASH.4 U3.7 U3.8 U3.9 U3.10 U3.11 U3.12 U3.15

## Polygon pours and split planes (outlines as drawn)
GND on Top Layer "NONET_L-01_P-001" (solid, pour order 56): 0,0 0,75 90,75 90,0
VIN on Top Layer "NONET_L-01_P-001" (solid, pour order 68): 79.375,52.079 79.375,63.421 79.629,63.675 81.621,63.675 81.875,63.421 81.875,52.079 81.621,51.825 79.629,51.825
SW_NET on Top Layer "NONET_L-01_P-001" (solid, pour order 37): 46.987,57.45 46.987,61.921 47.291,62.225 49.146,62.225 49.5,61.871 49.5,57.45
NetF1_2 on Top Layer "NONET_L-01_P-001" (solid, pour order 64): 66.475,34.1 66.5,34.125 66.5,40.975 75.225,40.975 75.998,40.202 75.998,34.1 85.521,34.1 85.775,33.846 85.775,32.429 85.146,31.8 67.104,31.8 66.475,32.429
8.4V on Top Layer "NONET_L-01_P-001" (solid, pour order 53): 32.3,69.179 32.3,71.1 32.8,71.6 70.225,71.6 70.725,71.1 70.725,69.179
8.4V on Top Layer "NONET_L-01_P-001" (solid, pour order 35): 63.275,65.925 63.275,69.179 66.675,69.179 66.675,65.925
8.4V on Top Layer "NONET_L-01_P-001" (solid, pour order 34): 12.95,64.398 12.95,68.925 13.375,69.35 40.9,69.35 40.95,69.3 40.95,64.35 40.9,64.3 30.925,64.3 30.875,64.35 30.875,67.35 22.175,67.35 22.175,64.425 22.098,64.348
8.4V on Top Layer "NONET_L-01_P-001" (solid, pour order 33): 38.975,62.775 38.975,69.538 40.95,69.538 40.95,62.775
8.4V on Top Layer "NONET_L-01_P-001" (solid, pour order 31): 66.675,66.525 66.675,69.179 70.725,69.179 70.725,66.525
3.3V on Top Layer "NONET_L-01_P-001" (solid, pour order 52): 35.2,45.5 35.2,49.1 40.975,49.1 40.975,45.5
8.4V on Top Layer "NONET_L-01_P-001" (solid, pour order 49): 68.2,50.025 68.2,51.175 71.05,51.175 71.05,50.025
8.4V on Top Layer "NONET_L-01_P-001" (solid, pour order 30): 66.675,44.775 66.675,68.575 69.425,68.575 69.425,44.775
NetBT1_2 on Top Layer "NONET_L-01_P-001" (solid, pour order 47): 81.675,37.079 81.675,49.496 81.929,49.75 86.371,49.75 86.625,49.496 86.625,37.079 86.371,36.825 81.929,36.825
3.3V on Top Layer "NONET_L-01_P-001" (solid, pour order 46): 52.6,39.675 52.6,47.525 53.15,48.075 58.05,48.075 58.55,47.575 58.55,39.625 58.05,39.125 53.15,39.125
3.3V on Top Layer "NONET_L-01_P-001" (solid, pour order 45): 51.05,39.088 51.05,41.275 55.225,41.275 55.225,39.088
3.3V on Top Layer "NONET_L-01_P-001" (solid, pour order 42): 55.125,36.725 55.125,42.825 56.4,42.825 56.4,36.725
3.3V on Top Layer "NONET_L-01_P-001" (solid, pour order 41): 55.125,42.525 64.025,42.525 64.375,42.875 64.375,47.325 64.325,47.375 63.2,47.375 63.15,47.325 63.15,45.05 55.125,45.05 55.075,45
3.3V on Top Layer "NONET_L-01_P-001" (solid, pour order 44): 46.6,37.425 46.6,40.75 47.125,41.275 51.125,41.275 51.125,37.475 50.55,36.9 47.125,36.9
SW_NET on Top Layer "NONET_L-01_P-001" (solid, pour order 36): 47.975,53.675 49.5,53.675 49.5,57.44 49.49,57.45 44.754,57.45 44.5,57.196 44.5,42.879 44.754,42.625 47.975,42.625
NetC11_1 on Top Layer "NONET_L-01_P-001" (solid, pour order 26): 73.225,44.7 73.225,53.225 74.662,53.225 74.737,44.7
GND on Bottom Layer "NONET_L-01_P-001" (solid, pour order 66): 0,0 0,75 90,75 90,0

## Keep-outs
Keep-Out Layer:
  the board outline again, w0.1

## Other copper
Top Layer:
  pour cut-out: 48,53.651 56.589,53.651 56.589,52.5 52.575,52.5 52.575,41.55 52.5,41.475 52.424,41.551 44.489,41.551 44.489,42.414 44.65,42.575 48,42.575
Bottom Layer:
  pour cut-out: 41.95,53.526 58.55,53.526 58.55,41.426 41.95,41.426

## Silkscreen, mask and mechanical layers (free items; w line width, h text height)
Top Overlay:
  drawing of 11 lines, arcs and shapes, not listed
  text "TP1" at 6.725,53.9 h0.8
  text "GND" at 7.15,46.75 h0.8
  text "B" at 7.15,44.35 h0.8
  text "A" at 7.15,41.225 h0.8
  text "TP2" at 8.75,38.95 h0.8
  text "TP3" at 42.775,38.15 h0.8
  text "VCC" at 7.15,37.1 h0.8
  text "SWD" at 7.15,33.475 h0.8
  text "CLK" at 7.15,30.725 h0.8
  text "x" at 28.25,28.55 h0.8
  text "GND" at 7.15,27.975 h0.8
  text "z" at 28.25,26.242 h0.8
  text "y" at 32.275,26.242 h0.8
  text "GND" at 7.143,16.241 h0.8
  text "RX" at 7.143,13.591 h0.8
  text "TX" at 7.143,10.891 h0.8
  text "DMRobot v1.0" at 67.675,1.45 h0.8

## Text inside footprints (layer, text, board x,y; h text height)
ESP: Mechanical 13 "ANTENNA" at 38.318,-2.769 h1 r180
J1: Mechanical 13 "PCB EDGE" at 89.816,21.065 h0.61 r90
U1: Mechanical 13 "*" at 53.405,63.618 h1